# Altium PCB ZHUKONG.PcbDoc (continued)
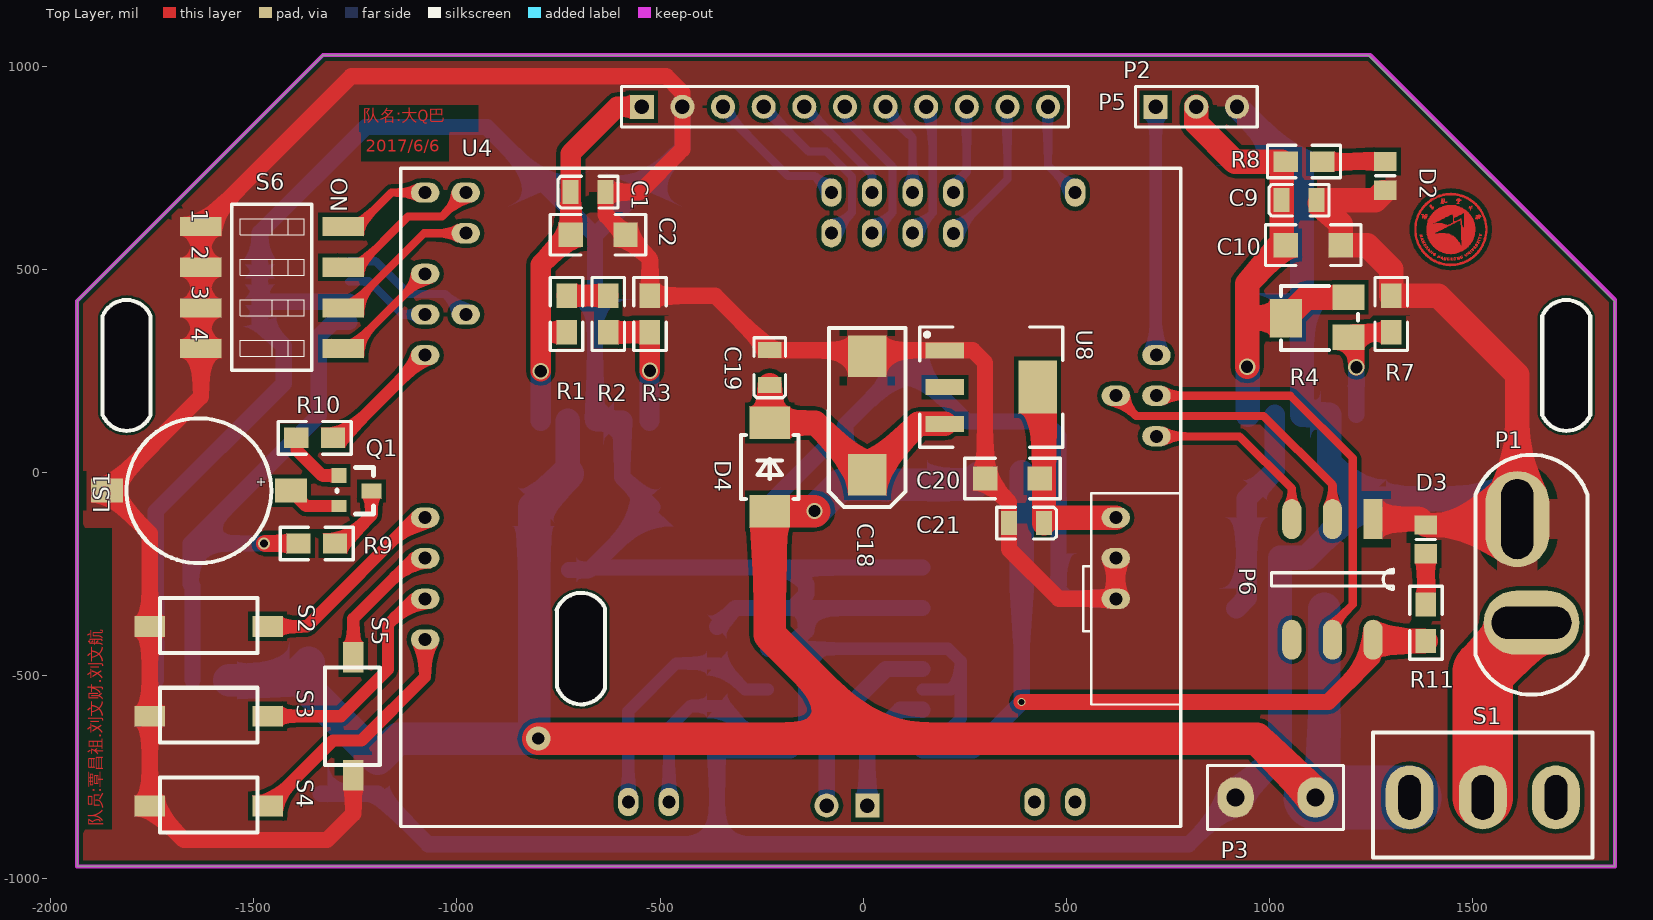
[diagram p0: Top Layer view]
## Nets (pads, with @x,y where several pads share a name; then routed paths per layer and width w, separated by ;. In a path a pad name is that pad's centre, name@x,y a point inside that pad or via, vN(x,y) a via of type N, cw(c..) or ccw(c..) an arc to the next point about the centre after c; other vN are vias at no path point) (continued)
NetP2_4: P2.4 U4.76 | length 448.5
  Bottom Layer w20: P2.4 -135,790 -90,790 -27.73,727.73 -27.73,639.28 U4.76
NetP2_5: P2.5 U4.73 | length 280.3
  Bottom Layer w20: P2.5 21.77,733.23 U4.73
NetP2_6: P2.6 U4.74 | length 380.7
  Bottom Layer w20: P2.6 -45,870 72.27,752.73 72.27,639.28 U4.74
NetP2_7: P2.7 U4.71 | length 238.9
  Bottom Layer w20: P2.7 55,890 121.77,823.23 U4.71
NetP2_8: P2.8 U4.72 | length 338.5
  Bottom Layer w20: U4.72 171.27,638.28 171.27,883.73 P2.8
NetP2_9: P2.9 U4.69 | length 225.4
  Bottom Layer w20: U4.69 221.77,706.77 255,740 P2.9
NetP2_10: P2.10 U4.70 | length 366.8
  Bottom Layer w20: U4.70 355,721.61 P2.10
NetP2_11: P2.11 U4.63 | length 238.9
  Bottom Layer w20: P2.11 455,755.55 U4.63
NetP4_1: P4.1 U3.18 | length 324.6
  Bottom Layer w40: P4.1 10,-665 91,-584 U3.18
NetP4_2: P4.2 U3.16 | length 486.5
  Bottom Layer w40: P4.2 -90,-630 56,-484 U3.16
NetP5_1: P5.1 U4.54 | length 609.4
  Bottom Layer w30: U4.54@720,290.55 P5.1
NetP6_3: P6.3 U4.51 | length 708.8
  Top Layer w20: U4.51 671.27,139.28 985.72,139.28 1155,-30 P6.3
NetP6_4: P6.4 U4.52 | length 1014.5
  Top Layer w20: U4.52 1051.22,188.78 1205,35 1205,-325 1155,-375 P6.4
NetP6_5: P6.5 U4.50 | length 461.6
  Top Layer w20: U4.50 926.22,88.78 1055,-40 P6.5
NetQ1_1: Q1.1 R10.2 | length 160.7
  Top Layer w30: R10.2 -1395,55 -1332.25,-7.76 Q1.1
NetQ1_3: Q1.3 R9.2 | length 178.1
  Top Layer w30: R9.2 -1280,-175 -1210.28,-105.28 Q1.3
NetR1_1: R1.1 R2.2 | length 102.5
  Top Layer w50: R1.1 R2.2
NetR2_1: R2.1 R3.2 U1.1 | length 321.1
  Top Layer w50: R2.1 R3.2 v1(-525,250)
  Bottom Layer w50: U1.1 -526.14,248.86 v1(-525,250)
NetR4_1: R4.1 R7.2 U5.1 | length 281.9
  Top Layer w40: R4.1 1206.42,345 R7.2 ; v1(1213.86,258.86) R4.1@1213.86,312.55
  Bottom Layer w40: U5.1 v1(1213.86,258.86)
NetR5_2: R5.2 U3.2 U4.9 | length 473.7
  Bottom Layer w30: U4.9 -478.23,-628.23 -425,-575 R5.2 -345,-575 -286,-634 U3.2
NetR6_2: R6.2 U3.4 U4.7 | length 642.7
  Bottom Layer w30: U4.7 -578.23,-588.23 -460,-470 R6.2 -355,-470 -291,-534 U3.4
NetR10_1: R10.1 U4.102 | length 311.2
  Top Layer w30: R10.1 -1282.01,85 U4.102
NetS2_2: S2.2 U4.110 | length 498.7
  Top Layer w30: S2.2 -1369,-379 -1101.22,-111.22 U4.110
NetS3_2: S3.2 U4.114 | length 571.8
  Top Layer w30: S3.2 -1285,-600 -1170,-485 -1170,-375 -1106.22,-311.22 U4.114
NetS4_2: S4.2 U4.116 | length 611.4
  Top Layer w30: S4.2 -1305,-660 -1235,-660 -1078.23,-503.23 U4.116
NetS5_2: S5.2 U4.112 | length 333.4
  Top Layer w30: S5.2 -1255,-360 -1106.22,-211.22 U4.112
NetS6_5: S6.5 U4.98 | length 277.7
  Top Layer w20: S6.5 -1262.01,305 U4.98
NetS6_6: S6.6 U4.95 | length 377.7
  Top Layer w20: S6.6 -1265,405 -1081.22,588.78 U4.95
NetS6_7: S6.7 U4.93 | length 377.7
  Top Layer w20: S6.7 -1245,505 -1120,630 -1037.01,630 U4.93
NetS6_8: S6.8 U4.94 | length 236.3
  Top Layer w20: S6.8 -1245,605 -1161.22,688.78 U4.94
NetU4_99: U4.99 U6.5 | length 341.1
  Bottom Layer w20: U6.5 -1200,520 -1119.28,439.28 -1028.73,439.28 U4.99
NetU4_100: U4.100 U6.6 | length 220.4
  Bottom Layer w20: U6.6 -1215,470 -1133.78,388.78 U4.100
pads on no net: P6.6 S1.3 U3.3 U3.5 U3.7 U3.9 U3.12 U3.14 U4.27 U4.29
copper on no net: | length 11480
  Top Layer w1: 1357,588 1362,588 ; 1357,589 1362,589 ; 1357,590 1361,590 ; 1357,591 1361,591 ; 1357,592 1361,592 ; 1357,593 1361,593 ; 1357,594 1361,594 ; 1357,595 1361,595 ; 1357,596 1361,596 ; 1357,597 1361,597 ; 1357,598 1361,598 ; 1357,599 1361,599 ; 1357,600 1361,600 ; 1357,601 1361,601 ; 1357,602 1361,602 ; 1357,603 1361,603 ; 1357,604 1361,604 ; 1357,605 1361,605 ; 1357,606 1361,606 ; 1357,607 1361,607 ; 1357,608 1362,608 ; 1357,609 1362,609 ; 1358,583 1363,583 ; 1358,584 1362,584 ; 1358,585 1362,585 ; 1358,586 1362,586 ; 1358,587 1362,587 ; 1358,610 1362,610 ; 1358,611 1362,611 ; 1358,612 1362,612 ; 1358,613 1362,613 ; 1358,614 1363,614 ; 1359,577 1364,577 ; 1359,578 1364,578 ; 1359,579 1363,579 ; 1359,580 1363,580 ; 1359,581 1363,581 ; 1359,582 1363,582 ; 1359,615 1363,615 ; 1359,616 1363,616 ; 1359,617 1363,617 ; 1359,618 1363,618 ; 1359,619 1364,619 ; 1359,620 1364,620 ; 1360,574 1365,574 ; 1360,575 1364,575 ; 1360,576 1364,576 ; 1360,621 1364,621 ; 1360,622 1364,622 ; 1360,623 1365,623 ; 1361,570 1366,570 ; 1361,571 1366,571 ; 1361,572 1365,572 ; 1361,573 1365,573 ; 1361,624 1365,624 ; 1361,625 1365,625 ; 1361,626 1365,626 ; 1362,568 1367,568 ; 1362,569 1366,569 ; 1362,627 1366,627 ; 1362,628 1366,628 ; 1362,629 1367,629 ; 1363,565 1368,565 ; 1363,566 1368,566 ; 1363,567 1367,567 ; 1363,630 1367,630 ; 1363,631 1368,631 ; 1363,632 1368,632 ; 1364,563 1369,563 ; 1364,564 1368,564 ; 1364,633 1368,633 ; 1364,634 1369,634 ; 1365,560 1370,560 ; 1365,561 1370,561 ; 1365,562 1370,562 ; 1365,635 1370,635 ; 1365,636 1370,636 ; 1365,637 1370,637 ; 1366,559 1371,559 ; 1366,638 1371,638 ; 1367,557 1372,557 ; 1367,558 1372,558 ; 1367,639 1372,639 ; 1367,640 1372,640 ; 1368,555 1373,555 ; 1368,556 1373,556 ; 1368,641 1372,641 ; 1368,642 1373,642 ; 1369,554 1374,554 ; 1369,643 1374,643 ; 1369,644 1374,644 ; 1370,552 1375,552 ; 1370,553 1374,553 ; 1370,584 1372,584 ; 1370,585 1376,585 ; 1370,645 1375,645 ; 1371,550 1376,550 ; 1371,551 1376,551 ; 1371,580 1374,580 ; 1371,581 1373,581 ; 1371,646 1376,646 ; 1372,549 1377,549 ; 1372,576 1379,576 ; 1372,582 1374,582 ; 1372,647 1376,647 ; 1372,648 1377,648 ; 1373,547 1379,547 ; 1373,548 1378,548 ; 1373,583 1374,583 ; 1373,649 1378,649 ; 1373,650 1379,650 ; 1374,546 1379,546 ; 1374,572 1375,572 ; 1374,573 1376,573 ; 1374,574 1378,574 ; 1374,575 1375,575 ; 1374,581 1377,581 ; 1374,584 1376,584 ; 1374,635 1377,635 ; 1374,651 1379,651 ; 1375,544 1381,544 ; 1375,545 1380,545 ; 1375,568 1377,568 ; 1375,652 1380,652 ; 1376,543 1382,543 ; 1376,569 1379,569 ; 1376,627 1377,627 ; 1376,628 1377,628 ; 1376,629 1378,629 ; 1376,630 1378,630 ; 1376,634 1380,634 ; 1376,653 1381,653 ; 1376,654 1382,654 ; 1377,542 1383,542 ; 1377,564 1379,564 ; 1377,565 1380,565 ; 1377,575 1379,575 ; 1377,631 1378,631 ; 1377,632 1379,632 ; 1377,633 1379,633 ; 1377,655 1383,655 ; 1378,541 1384,541 ; 1378,566 1379,566 ; 1378,567 1379,567 ; 1378,656 1383,656 ; 1379,540 1385,540 ; 1379,568 1381,568 ; 1379,570 1381,570 ; 1379,630 1382,630 ; 1379,631 1384,631 ; 1379,635 1380,635 ; 1379,657 1385,657 ; 1380,539 1386,539 ; 1380,559 1381,559 ; 1380,560 1381,560 ; 1380,561 1382,561 ; 1380,566 1383,566 ; 1380,569 1381,569 ; 1380,571 1381,571 ; 1380,627 1381,627 ; 1380,628 1387,628 ; 1380,629 1382,629 ; 1380,658 1386,658 ; 1381,538 1387,538 ; 1381,558 1383,558 ; 1381,562 1386,562 ; 1381,625 1383,625 ; 1381,626 1384,626 ; 1381,632 1384,632 ; 1381,633 1384,633 ; 1381,659 1387,659 ; 1382,537 1388,537 ; 1382,567 1383,567 ; 1382,624 1383,624 ; 1382,660 1388,660 ; 1382,661 1389,661 ; 1383,535 1390,535 ; 1383,536 1389,536 ; 1383,563 1385,563 ; 1383,627 1387,627 ; 1383,629 1385,629 ; 1383,630 1385,630 ; 1383,634 1385,634 ; 1383,662 1390,662 ; 1384,554 1385,554 ; 1384,635 1385,635 ; 1385,533 1392,533 ; 1385,534 1391,534 ; 1385,555 1388,555 ; 1385,559 1386,559 ; 1385,560 1386,560 ; 1385,561 1386,561 ; 1385,636 1388,636 ; 1385,663 1391,663 ; 1385,664 1392,664 ; 1386,551 1388,551 ; 1386,556 1388,556 ; 1386,631 1388,631 ; 1386,632 1388,632 ; 1386,635 1388,635 ; 1387,532 1393,532 ; 1387,552 1388,552 ; 1387,554 1388,554 ; 1387,586 1399,586 ; 1387,590 1407,590 ; 1387,591 1408,591 ; 1387,592 1411,592 ; 1387,593 1412,593 ; 1387,594 1414,594 ; 1387,595 1416,595 ; 1387,596 1418,596 ; 1387,597 1421,597 ; 1387,598 1422,598 ; 1387,599 1424,599 ; 1387,600 1426,600 ; 1387,601 1429,601 ; 1387,602 1430,602 ; 1387,603 1432,603 ; 1387,604 1434,604 ; 1387,605 1436,605 ; 1387,606 1438,606 ; 1387,607 1440,607 ; 1387,633 1388,633 ; 1387,634 1388,634 ; 1387,665 1394,665 ; 1388,531 1394,531 ; 1388,553 1390,553 ; 1388,557 1389,557 ; 1388,584 1448,584 ; 1388,585 1396,585 ; 1388,587 1401,587 ; 1388,588 1403,588 ; 1388,589 1404,589 ; 1388,608 1437,608 ; 1388,609 1436,609 ; 1388,610 1434,610 ; 1388,611 1432,611 ; 1388,612 1401,612 ; 1388,613 1402,613 ; 1388,666 1394,666 ; 1389,530 1396,530 ; 1389,548 1392,548 ; 1389,554 1391,554 ; 1389,581 1453,581 ; 1389,582 1452,582 ; 1389,583 1451,583 ; 1389,614 1405,614 ; 1389,615 1406,615 ; 1389,616 1408,616 ; 1389,617 1410,617 ; 1389,667 1396,667 ; 1390,529 1397,529 ; 1390,578 1457,578 ; 1390,579 1456,579 ; 1390,580 1455,580 ; 1390,618 1412,618 ; 1390,619 1414,619 ; 1390,620 1416,620 ; 1390,622 1391,622 ; 1390,668 1397,668 ; 1391,547 1394,547 ; 1391,549 1395,549 ; 1391,576 1459,576 ; 1391,577 1458,577 ; 1391,621 1418,621 ; 1392,528 1399,528 ; 1392,544 1393,544 ; 1392,545 1393,545 ; 1392,546 1394,546 ; 1392,573 1462,573 ; 1392,574 1461,574 ; 1392,575 1460,575 ; 1392,622 1420,622 ; 1392,623 1422,623 ; 1392,624 1424,624 ; 1392,626 1393,626 ; 1392,669 1399,669 ; 1393,527 1400,527 ; 1393,550 1395,550 ; 1393,572 1463,572 ; 1393,625 1426,625 ; 1393,670 1400,670 ; 1394,526 1402,526 ; 1394,548 1395,548 ; 1394,570 1464,570 ; 1394,571 1463,571 ; 1394,626 1428,626 ; 1394,627 1430,627 ; 1394,628 1432,628 ; 1394,671 1403,671 ; 1395,542 1396,542 ; 1395,568 1465,568 ; 1395,569 1465,569 ; 1395,629 1433,629 ; 1395,655 1397,655 ; 1395,658 1399,658 ; 1396,525 1403,525 ; 1396,543 1397,543 ; 1396,566 1467,566 ; 1396,567 1466,567 ; 1396,630 1436,630 ; 1396,631 1437,631 ; 1396,654 1397,654 ; 1396,656 1399,656 ; 1396,659 1398,659 ; 1396,672 1403,672 ; 1397,524 1405,524 ; 1397,544 1400,544 ; 1397,545 1400,545 ; 1397,565 1468,565 ; 1397,632 1440,632 ; 1397,653 1401,653 ; 1397,657 1399,657 ; 1397,673 1405,673 ; 1398,539 1400,539 ; 1398,540 1401,540 ; 1398,541 1399,541 ; 1398,564 1468,564 ; 1398,585 1447,585 ; 1398,633 1441,633 ; 1398,652 1401,652 ; 1398,654 1400,654 ; 1398,655 1399,655 ; 1399,523 1408,523 ; 1399,543 1400,543 ; 1399,562 1470,562 ; 1399,563 1469,563 ; 1399,634 1444,634 ; 1399,635 1445,635 ; 1399,649 1403,649 ; 1399,650 1401,650 ; 1399,651 1400,651 ; 1399,674 1407,674 ; 1400,522 1409,522 ; 1400,541 1401,541 ; 1400,561 1470,561 ; 1400,636 1448,636 ; 1400,675 1409,675 ; 1401,542 1402,542 ; 1401,560 1470,560 ; 1401,637 1450,637 ; 1401,651 1404,651 ; 1401,654 1404,654 ; 1402,521 1412,521 ; 1402,543 1403,543 ; 1402,559 1471,559 ; 1402,586 1444,586 ; 1402,638 1475,638 ; 1402,650 1403,650 ; 1402,652 1404,652 ; 1402,653 1404,653 ; 1402,676 1412,676 ; 1403,520 1413,520 ; 1403,536 1404,536 ; 1403,537 1404,537 ; 1403,538 1404,538 ; 1403,539 1405,539 ; 1403,557 1436,557 ; 1403,558 1472,558 ; 1403,639 1477,639 ; 1403,640 1489,640 ; 1403,677 1413,677 ; 1404,535 1405,535 ; 1404,540 1408,540 ; 1405,534 1407,534 ; 1405,537 1407,537 ; 1405,555 1436,555 ; 1405,556 1435,556 ; 1405,587 1442,587 ; 1405,612 1428,612 ; 1405,641 1488,641 ; 1405,642 1487,642 ; 1406,519 1416,519 ; 1406,535 1408,535 ; 1406,536 1408,536 ; 1406,678 1416,678 ; 1407,554 1436,554 ; 1407,643 1485,643 ; 1407,644 1485,644 ; 1408,518 1419,518 ; 1408,538 1409,538 ; 1408,539 1409,539 ; 1408,553 1436,553 ; 1408,679 1419,679 ; 1409,552 1435,552 ; 1409,613 1425,613 ; 1409,645 1483,645 ; 1410,517 1423,517 ; 1410,551 1435,551 ; 1410,646 1482,646 ; 1410,680 1423,680 ; 1411,588 1438,588 ; 1412,516 1425,516 ; 1412,550 1482,550 ; 1412,647 1481,647 ; 1412,681 1425,681 ; 1413,530 1414,530 ; 1413,549 1480,549 ; 1413,648 1480,648 ; 1414,531 1415,531 ; 1414,532 1417,532 ; 1415,515 1431,515 ; 1415,533 1416,533 ; 1415,534 1416,534 ; 1415,548 1478,548 ; 1415,649 1477,649 ; 1415,682 1431,682 ; 1416,547 1476,547 ; 1416,650 1476,650 ; 1417,514 1437,514 ; 1417,529 1418,529 ; 1417,530 1419,530 ; 1417,531 1419,531 ; 1417,589 1433,589 ; 1417,683 1437,683 ; 1418,532 1419,532 ; 1418,546 1475,546 ; 1418,651 1475,651 ; 1419,533 1420,533 ; 1420,513 1473,513 ; 1420,545 1472,545 ; 1421,527 1422,527 ; 1421,528 1424,528 ; 1421,652 1473,652 ; 1421,663 1423,663 ; 1421,664 1423,664 ; 1421,684 1472,684 ; 1422,529 1423,529 ; 1422,544 1470,544 ; 1422,653 1470,653 ; 1423,527 1426,527 ; 1423,530 1424,530 ; 1423,665 1428,665 ; 1423,666 1428,666 ; 1423,669 1427,669 ; 1423,670 1427,670 ; 1423,674 1426,674 ; 1424,512 1469,512 ; 1424,531 1426,531 ; 1424,664 1426,664 ; 1424,667 1428,667 ; 1424,668 1428,668 ; 1424,671 1426,671 ; 1424,672 1425,672 ; 1424,673 1426,673 ; 1425,525 1426,525 ; 1425,526 1426,526 ; 1425,528 1426,528 ; 1425,529 1426,529 ; 1425,530 1426,530 ; 1425,543 1467,543 ; 1425,654 1468,654 ; 1425,663 1426,663 ; 1425,685 1468,685 ; 1427,542 1465,542 ; 1427,655 1465,655 ; 1427,663 1429,663 ; 1427,664 1428,664 ; 1427,686 1465,686 ; 1428,511 1465,511 ; 1428,669 1432,669 ; 1428,674 1431,674 ; 1429,524 1430,524 ; 1429,525 1430,525 ; 1429,526 1430,526 ; 1429,527 1430,527 ; 1429,666 1430,666 ; 1429,667 1432,667 ; 1429,670 1432,670 ; 1430,529 1432,529 ; 1430,530 1432,530 ; 1430,668 1432,668 ; 1430,671 1432,671 ; 1430,673 1431,673 ; 1431,527 1432,527 ; 1431,528 1432,528 ; 1431,672 1432,672 ; 1432,524 1434,524 ; 1432,525 1433,525 ; 1432,526 1433,526 ; 1432,541 1461,541 ; 1432,656 1461,656 ; 1432,665 1436,665 ; 1434,510 1459,510 ; 1434,526 1435,526 ; 1434,527 1435,527 ; 1434,528 1435,528 ; 1434,529 1435,529 ; 1434,666 1437,666 ; 1434,687 1458,687 ; 1435,540 1457,540 ; 1436,657 1459,657 ; 1437,525 1439,525 ; 1437,526 1439,526 ; 1437,552 1443,552 ; 1437,553 1441,553 ; 1437,554 1441,554 ; 1437,555 1440,555 ; 1437,556 1441,556 ; 1437,557 1441,557 ; 1438,524 1439,524 ; 1438,527 1439,527 ; 1438,528 1443,528 ; 1438,551 1442,551 ; 1439,523 1443,523 ; 1439,608 1442,608 ; 1440,609 1444,609 ; 1441,524 1443,524 ; 1441,525 1443,525 ; 1442,527 1443,527 ; 1442,555 1444,555 ; 1442,556 1444,556 ; 1443,553 1444,553 ; 1443,554 1444,554 ; 1443,610 1446,610 ; 1444,509 1445,509 ; 1444,551 1450,551 ; 1444,557 1449,557 ; 1444,611 1448,611 ; 1445,552 1450,552 ; 1445,553 1451,553 ; 1445,556 1448,556 ; 1446,523 1448,523 ; 1446,524 1450,524 ; 1446,525 1449,525 ; 1446,526 1449,526 ; 1446,527 1450,527 ; 1446,528 1447,528 ; 1446,538 1447,538 ; 1446,554 1450,554 ; 1446,555 1448,555 ; 1446,688 1447,688 ; 1447,509 1448,509 ; 1447,612 1450,612 ; 1448,613 1452,613 ; 1449,523 1451,523 ; 1449,528 1450,528 ; 1449,555 1457,555 ; 1451,556 1454,556 ; 1451,614 1454,614 ; 1451,634 1467,634 ; 1451,635 1469,635 ; 1451,637 1473,637 ; 1452,551 1454,551 ; 1452,552 1455,552 ; 1452,554 1457,554 ; 1452,557 1455,557 ; 1452,615 1456,615 ; 1452,616 1457,616 ; 1452,617 1460,617 ; 1452,618 1461,618 ; 1452,619 1454,619 ; 1452,620 1453,620 ; 1452,621 1453,621 ; 1452,622 1453,622 ; 1452,623 1453,623 ; 1452,624 1453,624 ; 1452,625 1453,625 ; 1452,626 1454,626 ; 1452,627 1454,627 ; 1452,628 1455,628 ; 1452,629 1457,629 ; 1452,630 1459,630 ; 1452,631 1461,631 ; 1452,632 1463,632 ; 1452,633 1465,633 ; 1452,636 1471,636 ; 1453,553 1456,553 ; 1454,524 1455,524 ; 1454,525 1455,525 ; 1454,526 1455,526 ; 1454,527 1455,527 ; 1454,528 1455,528 ; 1455,529 1457,529 ; 1455,551 1456,551 ; 1455,556 1457,556 ; 1456,514 1475,514 ; 1456,523 1457,523 ; 1456,552 1458,552 ; 1456,683 1475,683 ; 1457,528 1459,528 ; 1458,524 1459,524 ; 1458,525 1459,525 ; 1458,526 1459,526 ; 1458,527 1459,527 ; 1458,553 1485,553 ; 1458,557 1472,557 ; 1459,551 1482,551 ; 1459,552 1483,552 ; 1459,554 1485,554 ; 1459,555 1487,555 ; 1459,556 1488,556 ; 1460,670 1461,670 ; 1460,671 1462,671 ; 1461,529 1464,529 ; 1461,530 1463,530 ; 1461,619 1464,619 ; 1461,663 1467,663 ; 1461,672 1470,672 ; 1461,682 1478,682 ; 1462,515 1478,515 ; 1462,526 1463,526 ; 1462,527 1463,527 ; 1462,528 1463,528 ; 1462,620 1465,620 ; 1462,673 1463,673 ; 1463,524 1464,524 ; 1463,525 1464,525 ; 1463,664 1465,664 ; 1463,665 1466,665 ; 1463,666 1466,666 ; 1463,668 1464,668 ; 1463,669 1465,669 ; 1463,670 1465,670 ; 1464,528 1465,528 ; 1464,621 1468,621 ; 1465,526 1468,526 ; 1465,527 1466,527 ; 1465,667 1466,667 ; 1465,673 1468,673 ; 1466,525 1467,525 ; 1466,528 1468,528 ; 1466,529 1467,529 ; 1466,530 1467,530 ; 1466,531 1467,531 ; 1466,622 1469,622 ; 1466,668 1468,668 ; 1466,669 1468,669 ; 1466,670 1468,670 ; 1466,674 1468,674 ; 1466,675 1467,675 ; 1467,516 1481,516 ; 1467,527 1468,527 ; 1467,671 1468,671 ; 1467,681 1481,681 ; 1468,623 1472,623 ; 1470,517 1483,517 ; 1470,528 1475,528 ; 1470,529 1471,529 ; 1470,530 1471,530 ; 1470,531 1471,531 ; 1470,532 1471,532 ; 1470,624 1472,624 ; 1470,670 1472,670 ; 1470,671 1472,671 ; 1470,680 1483,680 ; 1471,611 1473,611 ; 1471,613 1473,613 ; 1471,614 1473,614 ; 1471,615 1473,615 ; 1471,616 1473,616 ; 1471,617 1473,617 ; 1471,618 1473,618 ; 1471,619 1473,619 ; 1471,620 1473,620 ; 1471,621 1472,621 ; 1471,622 1472,622 ; 1472,527 1473,527 ; 1472,533 1474,533 ; 1472,574 1501,574 ; 1472,575 1501,575 ; 1472,576 1501,576 ; 1472,577 1503,577 ; 1472,578 1502,578 ; 1472,579 1503,579 ; 1472,580 1503,580 ; 1472,581 1503,581 ; 1472,582 1503,582 ; 1472,583 1505,583 ; 1472,584 1504,584 ; 1472,585 1504,585 ; 1472,586 1505,586 ; 1472,587 1505,587 ; 1472,588 1505,588 ; 1472,589 1505,589 ; 1472,590 1505,590 ; 1472,591 1505,591 ; 1472,592 1505,592 ; 1472,593 1506,593 ; 1472,594 1506,594 ; 1472,595 1506,595 ; 1472,596 1506,596 ; 1472,597 1506,597 ; 1472,598 1506,598 ; 1472,599 1506,599 ; 1472,600 1479,600 ; 1472,601 1479,601 ; 1472,602 1478,602 ; 1472,603 1477,603 ; 1472,604 1477,604 ; 1472,605 1476,605 ; 1472,606 1475,606 ; 1472,607 1474,607 ; 1472,608 1474,608 ; 1472,609 1473,609 ; 1472,610 1473,610 ; 1472,612 1473,612 ; 1473,530 1476,530 ; 1473,557 1489,557 ; 1473,558 1490,558 ; 1473,559 1491,559 ; 1473,560 1492,560 ; 1473,561 1492,561 ; 1473,562 1494,562 ; 1473,563 1494,563 ; 1473,564 1495,564 ; 1473,565 1496,565 ; 1473,566 1496,566 ; 1473,567 1497,567 ; 1473,568 1498,568 ; 1473,569 1498,569 ; 1473,570 1500,570 ; 1473,571 1499,571 ; 1473,572 1500,572 ; 1473,573 1500,573 ; 1474,518 1485,518 ; 1474,529 1476,529 ; 1474,531 1475,531 ; 1474,679 1485,679 ; 1476,519 1487,519 ; 1476,678 1487,678 ; 1479,520 1489,520 ; 1479,622 1501,622 ; 1479,623 1501,623 ; 1479,624 1500,624 ; 1479,625 1500,625 ; 1479,626 1499,626 ; 1479,627 1499,627 ; 1479,628 1498,628 ; 1479,629 1498,629 ; 1479,630 1497,630 ; 1479,631 1496,631 ; 1479,632 1496,632 ; 1479,633 1495,633 ; 1479,634 1494,634 ; 1479,635 1493,635 ; 1479,636 1492,636 ; 1479,637 1492,637 ; 1479,638 1491,638 ; 1479,639 1490,639 ; 1479,677 1489,677 ; 1480,600 1506,600 ; 1480,601 1506,601 ; 1480,602 1506,602 ; 1480,603 1506,603 ; 1480,604 1506,604 ; 1480,605 1507,605 ; 1480,606 1505,606 ; 1480,607 1505,607 ; 1480,608 1505,608 ; 1480,609 1505,609 ; 1480,610 1505,610 ; 1480,611 1505,611 ; 1480,612 1505,612 ; 1480,613 1504,613 ; 1480,614 1504,614 ; 1480,615 1503,615 ; 1480,616 1504,616 ; 1480,617 1503,617 ; 1480,618 1503,618 ; 1480,619 1503,619 ; 1480,620 1502,620 ; 1480,621 1502,621 ; 1481,521 1490,521 ; 1481,535 1483,535 ; 1481,536 1482,536 ; 1481,537 1482,537 ; 1481,676 1490,676 ; 1482,534 1483,534 ; 1483,533 1486,533 ; 1484,522 1493,522 ; 1484,538 1486,538 ; 1484,539 1485,539 ; 1484,675 1492,675 ; 1485,523 1494,523 ; 1485,536 1487,536 ; 1485,537 1487,537 ; 1485,674 1494,674 ; 1486,534 1487,534 ; 1486,535 1487,535 ; 1487,541 1491,541 ; 1488,524 1496,524 ; 1488,540 1489,540 ; 1488,555 1489,555 ; 1488,673 1496,673 ; 1489,525 1497,525 ; 1489,538 1491,538 ; 1489,539 1490,539 ; 1489,672 1497,672 ; 1490,526 1498,526 ; 1490,537 1491,537 ; 1490,540 1492,540 ; 1490,671 1498,671 ; 1491,543 1492,543 ; 1491,544 1492,544 ; 1491,651 1494,651 ; 1491,652 1499,652 ; 1492,527 1500,527 ; 1492,541 1494,541 ; 1492,542 1493,542 ; 1492,654 1494,654 ; 1492,655 1493,655 ; 1492,670 1500,670 ; 1493,539 1494,539 ; 1493,540 1495,540 ; 1493,561 1494,561 ; 1494,528 1501,528 ; 1494,546 1496,546 ; 1494,547 1495,547 ; 1494,647 1495,647 ; 1494,648 1495,648 ; 1494,649 1495,649 ; 1494,653 1497,653 ; 1494,669 1501,669 ; 1495,529 1503,529 ; 1495,545 1496,545 ; 1496,544 1497,544 ; 1496,654 1497,654 ; 1496,667 1503,667 ; 1496,668 1502,668 ; 1497,530 1503,530 ; 1497,543 1499,543 ; 1497,549 1499,549 ; 1497,651 1499,651 ; 1497,655 1499,655 ; 1498,548 1501,548 ; 1498,656 1499,656 ; 1498,666 1505,666 ; 1499,531 1505,531 ; 1499,532 1505,532 ; 1499,552 1501,552 ; 1499,665 1506,665 ; 1500,547 1503,547 ; 1500,551 1501,551 ; 1501,533 1508,533 ; 1501,549 1502,549 ; 1501,550 1502,550 ; 1501,664 1507,664 ; 1502,534 1508,534 ; 1502,548 1503,548 ; 1502,555 1503,555 ; 1502,663 1508,663 ; 1503,535 1509,535 ; 1503,554 1505,554 ; 1503,556 1504,556 ; 1503,662 1510,662 ; 1504,536 1510,536 ; 1504,553 1506,553 ; 1504,557 1505,557 ; 1504,661 1510,661 ; 1505,537 1511,537 ; 1505,552 1507,552 ; 1505,555 1506,555 ; 1505,660 1511,660 ; 1506,538 1512,538 ; 1506,551 1507,551 ; 1506,560 1508,560 ; 1506,561 1507,561 ; 1506,626 1507,626 ; 1506,659 1512,659 ; 1507,539 1513,539 ; 1507,553 1508,553 ; 1507,559 1510,559 ; 1507,562 1508,562 ; 1507,625 1512,625 ; 1507,658 1513,658 ; 1508,540 1514,540 ; 1508,554 1509,554 ; 1508,563 1510,563 ; 1508,624 1509,624 ; 1508,627 1511,627 ; 1508,628 1509,628 ; 1508,632 1511,632 ; 1508,657 1514,657 ; 1509,541 1515,541 ; 1509,558 1512,558 ; 1509,560 1510,560 ; 1509,561 1513,561 ; 1509,562 1510,562 ; 1509,626 1512,626 ; 1509,633 1511,633 ; 1509,656 1514,656 ; 1510,542 1516,542 ; 1510,557 1511,557 ; 1510,566 1513,566 ; 1510,567 1511,567 ; 1510,568 1511,568 ; 1510,629 1513,629 ; 1510,655 1516,655 ; 1511,543 1516,543 ; 1511,569 1513,569 ; 1511,654 1516,654 ; 1512,544 1517,544 ; 1512,545 1518,545 ; 1512,560 1513,560 ; 1512,567 1514,567 ; 1512,573 1515,573 ; 1512,624 1513,624 ; 1512,627 1517,627 ; 1512,628 1517,628 ; 1512,631 1521,631 ; 1512,632 1513,632 ; 1512,633 1514,633 ; 1512,652 1518,652 ; 1512,653 1517,653 ; 1513,568 1516,568 ; 1513,630 1519,630 ; 1513,651 1519,651 ; 1514,546 1519,546 ; 1514,547 1519,547 ; 1514,564 1515,564 ; 1514,565 1516,565 ; 1514,576 1515,576 ; 1514,577 1515,577 ; 1514,578 1519,578 ; 1514,629 1520,629 ; 1514,632 1520,632 ; 1514,634 1518,634 ; 1514,649 1520,649 ; 1514,650 1519,650 ; 1515,548 1520,548 ; 1515,566 1516,566 ; 1515,567 1516,567 ; 1515,572 1519,572 ; 1515,579 1516,579 ; 1515,580 1516,580 ; 1515,626 1518,626 ; 1515,633 1517,633 ; 1516,549 1521,549 ; 1516,550 1521,550 ; 1516,577 1521,577 ; 1516,584 1522,584 ; 1516,587 1518,587 ; 1516,625 1517,625 ; 1516,647 1521,647 ; 1516,648 1521,648 ; 1517,551 1522,551 ; 1517,571 1518,571 ; 1517,586 1519,586 ; 1517,646 1522,646 ; 1518,552 1523,552 ; 1518,645 1523,645 ; 1519,553 1523,553 ; 1519,554 1524,554 ; 1519,585 1522,585 ; 1519,633 1520,633 ; 1519,643 1524,643 ; 1519,644 1523,644 ; 1520,555 1525,555 ; 1520,556 1525,556 ; 1520,630 1521,630 ; 1520,641 1525,641 ; 1520,642 1525,642 ; 1521,557 1525,557 ; 1521,558 1526,558 ; 1521,639 1526,639 ; 1521,640 1525,640 ; 1522,559 1527,559 ; 1522,560 1527,560 ; 1522,637 1527,637 ; 1522,638 1526,638 ; 1523,561 1528,561 ; 1523,562 1528,562 ; 1523,635 1528,635 ; 1523,636 1528,636 ; 1524,563 1528,563 ; 1524,564 1529,564 ; 1524,633 1529,633 ; 1524,634 1528,634 ; 1525,565 1529,565 ; 1525,566 1530,566 ; 1525,567 1530,567 ; 1525,630 1530,630 ; 1525,631 1530,631 ; 1525,632 1529,632 ; 1526,568 1530,568 ; 1526,569 1531,569 ; 1526,628 1531,628 ; 1526,629 1530,629 ; 1527,570 1531,570 ; 1527,571 1532,571 ; 1527,625 1532,625 ; 1527,626 1532,626 ; 1527,627 1531,627 ; 1528,572 1532,572 ; 1528,573 1532,573 ; 1528,574 1532,574 ; 1528,575 1533,575 ; 1528,576 1533,576 ; 1528,622 1533,622 ; 1528,623 1532,623 ; 1528,624 1532,624 ; 1529,577 1533,577 ; 1529,578 1533,578 ; 1529,579 1534,579 ; 1529,619 1534,619 ; 1529,620 1533,620 ; 1529,621 1533,621 ; 1530,580 1534,580 ; 1530,581 1534,581 ; 1530,582 1534,582 ; 1530,583 1534,583 ; 1530,584 1535,584 ; 1530,585 1535,585 ; 1530,612 1535,612 ; 1530,613 1535,613 ; 1530,614 1534,614 ; 1530,615 1534,615 ; 1530,616 1534,616 ; 1530,617 1534,617 ; 1530,618 1534,618 ; 1531,586 1535,586 ; 1531,587 1535,587 ; 1531,588 1535,588 ; 1531,589 1535,589 ; 1531,590 1536,590 ; 1531,591 1536,591 ; 1531,592 1536,592 ; 1531,593 1536,593 ; 1531,603 1536,603 ; 1531,605 1536,605 ; 1531,606 1536,606 ; 1531,607 1536,607 ; 1531,608 1535,608 ; 1531,609 1535,609 ; 1531,610 1535,610 ; 1531,611 1535,611 ; 1532,594 1536,594 ; 1532,595 1536,595 ; 1532,596 1536,596 ; 1532,597 1536,597 ; 1532,598 1536,598 ; 1532,599 1536,599 ; 1532,600 1536,600 ; 1532,601 1536,601 ; 1532,602 1536,602 ; 1532,604 1536,604

## Polygon pours and split planes (outlines as drawn)
GND on Bottom Layer "Bottom Layer-No Net" (solid, remove dead copper, pour order 8): -1950,1050 -1950,-1000 1900,-1000 1900,1050
GND on Top Layer "Bottom Layer-No Net" (solid, remove dead copper, pour order 10): -1950,1050 -1950,-1000 1900,-1000 1900,1050

## Keep-outs
Keep-Out Layer:
  lines w10: -1934.65,-970 1850,-970 1850,425 1248.07,1026.93 -1329.61,1026.93 -1934.65,421.89 -1934.65,-970

## Other copper
Top Layer:
  text "队名:大Q巴" at -1230,855 h50
  text "2017/6/6" at -1225,780 h50
  text "队员:覃昌祖.刘文财.刘文航" at -1865,-870 h50 r90
Bottom Layer:
  pour cut-out: -753.74,-527.72 -753.74,-338.99 -754.67,-338.99 cw(c-694.04,-360.91) -635,-335 -635.63,-335 -635.63,-531.65 cw(c-693.97,-508.13)

## Silkscreen, mask and mechanical layers (free items; w line width, h text height)
Top Overlay:
  lines w10: -1872.11,385 cw(c-1813.06,360.39) -1754,385 ; -1871.85,385 -1871.85,141.57 ccw(c-1812.8,166.18) -1753.74,141.57 -1753.74,385 ; -754.67,-338.99 cw(c-694.04,-360.91) -635,-335 ; -753.74,-338.99 -753.74,-527.72 ccw(c-693.97,-508.13) -635.63,-531.65 -635.63,-335 ; 1671.46,141.57 ccw(c1730.51,166.18) 1789.57,141.57 1789.57,385 ccw(c1730.51,360.39) 1671.46,385 1671.46,141.57

## Text inside footprints (layer, text, board x,y; h text height)
LS1: Top Overlay "+" at -1467.68,-5.63 h40 r180
S6: Top Overlay "ON" at -1310.2,725 h40 r270; Top Overlay "1" at -1653.11,648.94 h40 r270; Top Overlay "2" at -1653.11,557.4 h40 r270; Top Overlay "3" at -1653.11,458.98 h40 r270; Top Overlay "4" at -1653.11,355.63 h40 r270